# Allegro board WNS_FDM_2V1-1221P2.brd (continued)
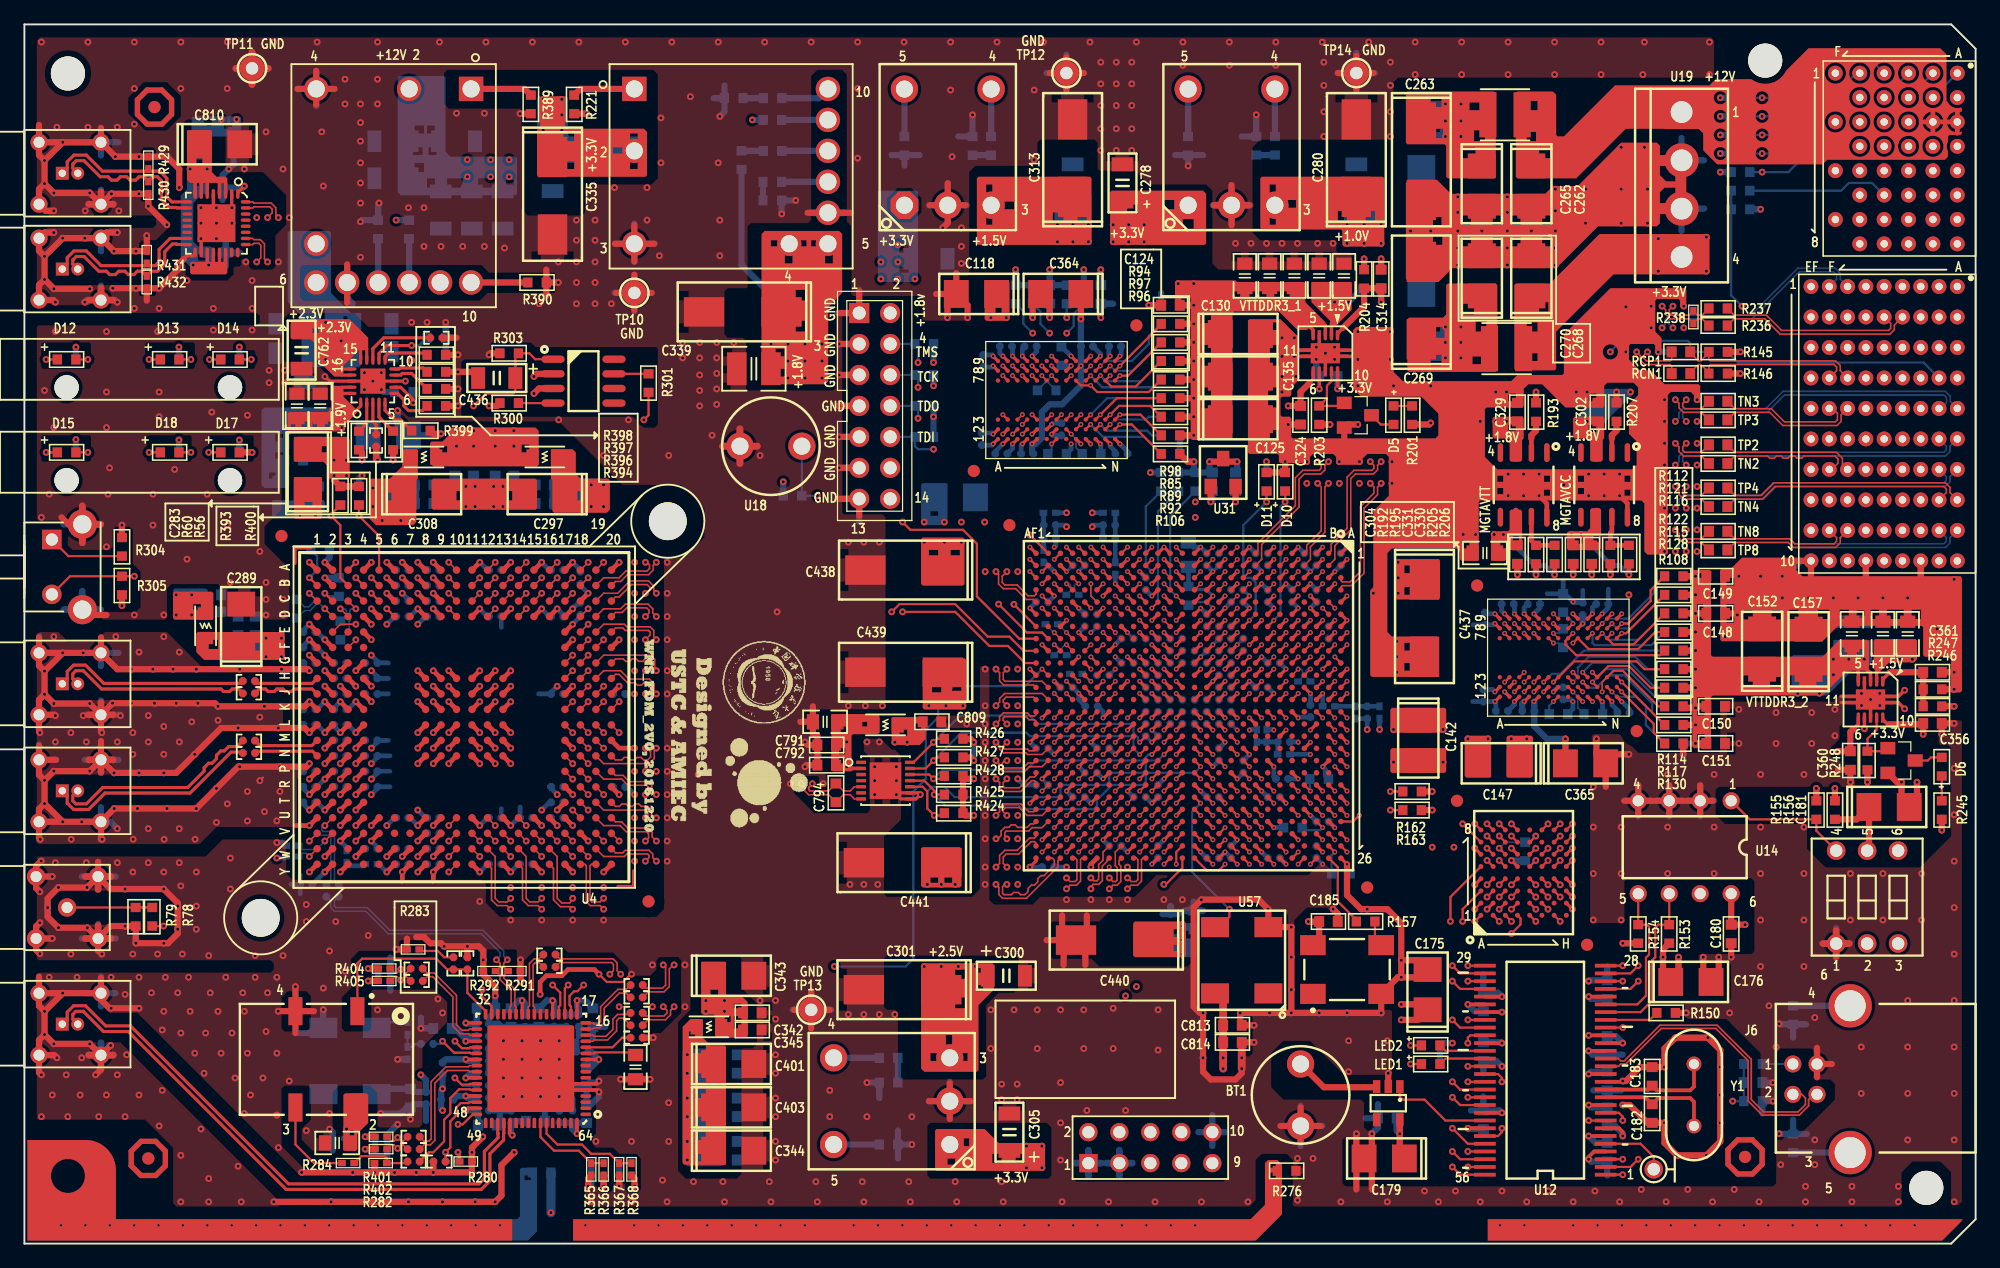
[diagram p0: board, top side]
## Routing (per net, layer and track width the routed paths; a pad name or vN(x,y) marks a point on that pad's centre or on a via; arc(x,y) is an arc through that point) (continued)
DI_P7: length 72.5
  TOP w0.124: U15.AA17 v1(87.45,40.12) ; U4.G17 v2(44.96,48.26)
  ART08 w0.102: v1(87.45,40.12) 87.16,39.83 86.91,39.83 86.8,39.72 83.76,39.72 83.05,40.42 83.05,41.42 83.11,41.48 83.11,41.5
  ART08 w0.109: v2(44.96,48.26) 45.24,48.54 45.24,48.76 45.53,49.05 46.77,49.05 47.18,48.64 47.18,48.01 47.37,47.81 47.69,47.81 47.9,48.03 47.9,48.54 48.26,48.9 48.9,48.9 49.27,48.52 49.27,48.14 49.47,47.94 49.84,47.94 50.04,48.13 50.04,48.6 50.33,48.9 51.05,48.9 51.39,48.56 51.39,48.28 51.6,48.06 52.07,48.06 54.3,50.29 54.3,51.44 54.68,51.82 60.45,51.82 60.65,52.01 60.65,52.28 60.43,52.5 55.45,52.5 55.06,52.89 55.06,53.72 55.75,54.41 56.4,54.41 56.81,54.01 56.81,53.87 57.02,53.65 57.33,53.65 57.55,53.87 57.55,54.01 57.95,54.41 58.52,54.41 58.92,54.01 58.92,53.87 59.14,53.65 59.44,53.65 59.66,53.87 59.66,54.01 60.06,54.41 60.71,54.41 68.26,46.86 74.04,46.86 76.42,44.48 76.42,43.78 76.68,43.53 81.82,43.53 82.35,42.99 82.35,42.49 83.11,41.73 83.11,41.5
DI_P8: length 72.4
  TOP w0.124: U4.G19 47.5,48.26 51.35,48.26 51.69,47.93 51.69,47.12 v2(51.82,46.99) ; U15.AF14 82.95,43.4 82.83,43.27 82.51,43.27 82.25,43.52 80.27,43.52 79.97,43.22 79.97,42.92 v2(79.67,42.62)
  ART10 w0.109: v2(79.67,42.62) 79.82,42.77 79.82,43.07 79.72,43.18 76.52,43.18 76.11,43.59 76.11,44.35 73.02,47.44 72.65,47.44 72.45,47.24 72.45,46.99 72.9,46.54 72.9,46.01 72.61,45.72 71.57,45.72 71.19,46.09 71.19,47.3 70.99,47.5 69.79,47.5 68.07,49.22 64.16,49.22 63.76,49.62 63.76,51.01 63.65,51.12 63.13,51.12 63.02,51.01 63.02,49.62 62.62,49.22 61.97,49.22 61.57,49.62 61.57,50.82 61.4,51 60.96,51 60.83,50.86 60.83,49.62 60.43,49.22 58.93,49.22 58.8,49.09 58.8,48.77 58.93,48.64 67.82,48.64 68.17,48.29 68.17,47.79 67.82,47.44 58.22,47.44 58.04,47.62 51.73,47.62 51.62,47.52 51.62,47.19 v2(51.82,46.99)
DI_P9: length 72.5
  TOP w0.124: U15.AE17 83.45,40.12 82.26,40.12 82.12,40.26 80.27,40.26 79.97,40.56 79.97,40.82 v2(79.67,41.12) ; U4.H17 v2(44.96,46.99)
  ART08 w0.109: v2(44.96,46.99) 45.24,46.71 45.24,46.49 45.53,46.2 46.71,46.2 46.99,46.48 49.22,46.48 49.85,45.85 52.9,45.85 53.53,45.21 54.36,45.21 54.8,45.65 54.8,46.17 53.47,47.5 53.47,47.88 54.17,48.58 54.41,48.58 54.68,48.32 54.68,47.28 54.97,46.99 55.59,46.99 55.88,47.28 55.88,48.45 56.07,48.64 62.04,48.64 62.4,49 62.4,49.55 62.04,49.91 55.94,49.91 55.75,50.1 55.75,50.36 55.94,50.55 62.36,50.55 67.24,45.66 68.82,45.66 69.04,45.44 69.04,45.23 69.44,44.83 70.01,44.83 70.41,45.23 70.41,45.45 70.61,45.66 70.99,45.66 71.19,45.46 71.19,44.45 71.57,44.07 72.14,44.07 72.52,44.45 72.52,45.47 72.71,45.66 73.02,45.66 73.22,45.46 73.22,43.62 74.1,42.74 75.56,42.74 76.63,41.67 79.68,41.67 79.87,41.48 79.87,41.32 v2(79.67,41.12)
DI_P10: length 73.1
  TOP w0.124: U4.H19 47.5,46.99 48.89,46.99 49.58,46.3 51.26,46.3 51.64,45.92 51.64,45.27 v2(51.82,45.09) ; U15.AA19 v1(87.45,38.12)
  ART10 w0.102: v1(87.45,38.12) 87.45,37.99 87.34,37.87 87.16,37.87 87.05,37.97 87.05,38.42 86.75,38.72 84.18,38.72 84.12,38.78 84.1,38.78
  ART10 w0.109: v2(51.82,45.09) 51.62,44.89 51.62,44.62 51.73,44.51 53.14,44.51 53.47,44.83 53.47,45.59 53.85,45.97 54.42,45.97 54.82,45.57 54.82,44.73 55.04,44.51 55.35,44.51 55.56,44.73 55.56,45.57 55.97,45.97 56.53,45.97 56.93,45.57 56.93,44.73 57.15,44.51 57.46,44.51 57.68,44.73 57.68,45.57 58.08,45.97 58.65,45.97 59.05,45.57 59.05,43.58 59.26,43.37 59.57,43.37 59.79,43.58 59.79,45.57 60.19,45.97 60.76,45.97 61.16,45.57 61.16,43.58 61.38,43.37 61.69,43.37 61.9,43.58 61.9,45.57 62.31,45.97 62.87,45.97 63.27,45.57 63.27,43.58 63.49,43.37 63.8,43.37 64.02,43.58 64.02,45.57 64.42,45.97 64.99,45.97 65.39,45.57 65.39,44.6 65.61,44.38 65.92,44.38 66.14,44.6 66.14,45.57 66.54,45.97 67.15,45.97 67.55,45.57 67.55,45.23 67.77,45.02 68.08,45.02 68.3,45.23 68.3,45.57 68.7,45.97 69.22,45.97 69.82,45.37 69.82,43.42 69.93,43.31 71.06,43.31 71.25,43.49 71.25,43.88 71.61,44.23 72.29,44.23 72.64,43.88 72.64,43.42 72.75,43.31 73.91,43.31 76.7,40.53 83.43,40.53 83.82,40.13 83.82,38.89 83.93,38.78 84.1,38.78
DI_P11: length 72.7
  TOP w0.124: v2(79.67,39.62) 79.89,39.4 79.89,39.01 80.2,38.71 82.02,38.71 82.43,39.12 83.45,39.12 U15.AE18 ; U4.J18 v2(46.23,45.72)
  ART08 w0.109: v2(79.67,39.62) 79.88,39.83 79.88,40.07 79.71,40.24 76.54,40.24 75.05,41.72 73.78,41.72 72.51,42.99 68.4,42.99 68.11,43.29 68.11,44.41 67.82,44.7 66.87,44.7 63.88,47.69 56.9,47.69 56.78,47.58 56.78,47.23 56.96,47.05 63.63,47.05 64.52,46.16 64.52,44.7 64.01,44.2 63.57,44.2 63.17,44.6 63.17,45.57 62.96,45.79 62.65,45.79 62.43,45.57 62.43,44.6 62.03,44.2 61.46,44.2 61.06,44.6 61.06,45.57 60.84,45.79 60.53,45.79 60.32,45.57 60.32,44.6 59.92,44.2 59.34,44.2 58.94,44.6 58.94,45.57 58.72,45.79 58.42,45.79 58.2,45.57 58.2,44.6 57.8,44.2 57.22,44.2 56.84,44.57 56.84,45.52 56.66,45.7 56.37,45.7 56.19,45.52 56.19,44.51 55.88,44.2 49.72,44.2 48.99,44.93 46.77,44.93 46.48,45.22 46.48,45.47 v2(46.23,45.72)
DID_N0: length 72.8
  TOP w0.124: U15.AF12 82.76,45.82 80.29,45.82 79.97,46.14 79.97,46.82 v2(79.67,47.12) ; U4.B10 v2(34.8,54.61)
  ART03 w0.109: v2(34.8,54.61) 34.48,54.93 34.48,55.18 34.67,55.37 35.81,55.37 37.08,56.64 47.56,56.64 47.98,56.23 47.98,55.27 48.77,54.48 53.48,54.48 53.7,54.27 53.7,52.22 54.1,51.82 54.67,51.82 55.07,52.22 55.07,54.27 55.29,54.48 55.6,54.48 55.81,54.27 55.81,52.22 56.21,51.82 56.78,51.82 57.18,52.22 57.18,54.27 57.4,54.48 57.78,54.48 58.04,54.23 58.04,52.32 58.48,51.88 60.26,51.88 60.45,51.69 60.45,50.58 60.74,50.29 62.32,50.29 62.73,50.69 62.73,51.03 62.94,51.25 63.25,51.25 63.47,51.03 63.47,50.69 63.87,50.29 64.44,50.29 64.84,50.69 64.84,51.03 65.06,51.25 65.37,51.25 65.58,51.03 65.58,50.69 65.98,50.29 66.55,50.29 66.95,50.69 66.95,51.03 67.17,51.25 67.48,51.25 67.7,51.03 67.7,50.69 68.1,50.29 68.66,50.29 69.07,50.69 69.07,51.03 69.28,51.25 69.59,51.25 69.81,51.03 69.81,50.69 70.21,50.29 74.68,50.29 77.27,47.69 79.9,47.69 80.01,47.58 80.01,47.26 79.87,47.12 v2(79.67,47.12)
DID_N1: length 72.7
  TOP w0.124: U4.D10 v2(34.8,52.07) ; U15.AB20 v1(86.45,37.12)
  ART10 w0.102: v1(86.45,37.12) 86.45,37.42 86.35,37.52 83.24,37.52 83.18,37.46 83.16,37.46
  ART10 w0.109: v2(34.8,52.07) 34.8,52.44 34.91,52.55 35.66,52.55 35.88,52.33 35.88,51.56 35.63,51.31 33.34,51.31 32.96,50.93 32.96,48.19 33.33,47.82 40.32,47.82 40.77,47.37 40.77,45.21 41.18,44.8 43.78,44.8 43.97,44.62 43.97,42.84 44.32,42.49 44.96,42.49 45.34,42.87 45.34,43.31 45.53,43.5 45.84,43.5 46.08,43.27 46.08,42.82 46.41,42.49 47.12,42.49 47.43,42.8 47.43,43.18 47.56,43.31 56.71,43.31 57.91,42.11 72.26,42.11 74.11,40.26 74.93,40.26 76.45,38.73 81.6,38.73 82.87,37.46 83.16,37.46
DID_N2: length 73.3
  TOP w0.124: 36.7,52.7 v2(37.34,53.34) ; U15.AE16 v1(83.45,41.12)
  ART10 w0.102: v1(83.45,41.12) 83.75,41.12 83.85,41.22 83.85,41.42 83.75,41.52 83.16,41.52 83.11,41.46 83.08,41.46
  ART10 w0.109: v2(37.34,53.34) 37.34,53.84 37.45,53.95 37.71,53.95 37.82,53.84 37.82,51.43 38.1,51.15 38.1,50.61 37.91,50.42 37.53,50.42 37.09,50.86 36.45,50.86 36.01,50.42 34.29,50.42 34,50.13 34,49.06 34.29,48.77 34.98,48.77 35.3,49.09 35.83,49.09 36.15,48.77 36.96,48.77 37.29,49.09 37.78,49.09 38.1,48.77 41.87,48.77 42.38,48.26 43.06,48.26 43.57,48.77 43.88,48.77 44.01,48.64 44.01,47.69 43.87,47.56 42.14,47.56 41.85,47.26 41.85,46.54 42.19,46.2 49.24,46.2 49.53,45.92 53.03,45.92 53.66,46.55 70.04,46.55 70.23,46.35 70.23,45.72 71.12,44.83 74.42,44.83 74.71,44.55 74.71,43.34 76.33,41.71 82.55,41.71 82.8,41.46 83.08,41.46
DID_N3: length 72.5
  TOP w0.124: U15.AD14 v1(84.45,43.12) ; U4.B12 v2(38.61,54.61)
  ART10 w0.109: v1(84.45,43.12) 84.69,43.12 84.8,43.23 84.8,43.39 84.63,43.56 83.89,43.56 81.98,45.47 77.79,45.47 74.11,49.15 70.93,49.15 69.34,50.74 69.34,52.45 68.77,53.03 64.01,53.03 62.86,54.17 55.12,54.17 54.48,53.53 54.48,51.69 52.96,50.16 48.51,50.16 48.29,49.94 48.29,48.71 48.43,48.57 49.41,48.57 49.72,48.26 49.72,47.56 49.4,47.24 47.1,47.24 46.8,47.54 46.8,48.57 46.64,48.74 45.82,48.74 45.44,49.12 45.44,49.75 45.18,50.01 43.39,50.01 43.1,50.3 43.1,50.95 42.92,51.12 42.67,51.12 42.48,50.93 42.48,50.36 42.13,50.01 41.5,50.01 41.15,50.36 41.15,50.95 40.98,51.12 40.58,51.12 40.41,50.96 40.41,50.46 40.12,50.16 39.38,50.16 39.09,50.46 39.09,55.19 38.98,55.3 38.72,55.3 38.61,55.19 v2(38.61,54.61)
DID_N4: length 72.5
  TOP w0.124: U15.AE20 v1(83.45,37.12) ; U4.D12 v2(38.61,52.07)
  ART08 w0.102: 82.45,37.16 82.47,37.16 82.53,37.21 82.84,37.21 83.14,37.52 83.75,37.52 83.85,37.42 83.85,37.22 83.75,37.12 v1(83.45,37.12)
  ART08 w0.109: 82.45,37.16 81.48,37.16 80.84,36.52 77.16,36.52 76.33,35.69 69.15,35.69 68.14,36.7 67.31,36.7 64.07,39.95 63.3,39.95 62.36,40.89 53.41,40.89 52.7,41.6 50.04,41.6 49.56,41.12 43.4,41.12 40.71,43.81 40.71,47.62 40.45,47.88 33.98,47.88 33.34,48.51 33.34,50.87 33.84,51.37 35.05,51.37 35.56,51.87 36.32,51.87 36.83,51.37 38.98,51.37 39.09,51.48 39.09,52.59 38.98,52.7 38.72,52.7 38.61,52.59 v2(38.61,52.07)
DID_N5: length 72.4
  TOP w0.124: 39.24,52.7 v2(39.88,53.34) ; U15.AC17 v1(85.45,40.12)
  ART10 w0.102: v1(85.45,40.12) 85.9,40.12 86,40.22 86,40.42 85.9,40.52 85.17,40.52 84.85,40.83 84.85,42.43 85.14,42.72 85.74,42.72 85.85,42.83 85.85,43.33 85.8,43.38 85.8,43.48
  ART10 w0.109: v2(39.88,53.34) 39.88,53.71 39.99,53.82 41.5,53.82 41.63,53.69 41.63,52.99 42.07,52.55 45.44,52.55 45.75,52.86 45.75,53.71 45.86,53.82 46.76,53.82 46.97,53.6 46.97,51.2 47.37,50.8 47.94,50.8 48.34,51.2 48.34,53.96 48.45,54.07 49.05,54.07 49.18,53.95 49.18,52.55 49.53,52.2 53.27,52.2 53.59,52.52 53.59,53.91 54.74,55.06 63.08,55.06 63.37,55.35 63.37,55.69 63.5,55.82 63.88,55.82 64.01,55.69 64.01,54.23 64.32,53.92 64.84,53.92 65.22,54.3 65.46,54.3 65.84,53.92 69.15,53.92 70.23,52.83 70.23,51.44 71.56,50.11 74.42,50.11 78.3,46.23 82.24,46.23 84.14,44.32 85.16,44.32 85.8,43.68 85.8,43.48
DID_N6: length 72.7
  TOP w0.124: U4.B14 v2(41.15,54.61) ; U15.W16 v1(89.45,41.12)
  ART10 w0.102: v1(89.45,41.12) 89.72,41.39 89.83,41.39 90.05,41.61 90.05,43.46 89.05,44.46 89.05,47.47 87.8,48.72 87.07,48.72 86.05,49.74 86.05,50.45 85.79,50.72 85.2,50.72 85.14,50.78 85.12,50.78
  ART10 w0.109: v2(41.15,54.61) 40.95,54.81 40.65,54.81 40.36,55.1 40.36,61.06 41.97,62.67 44.9,62.67 46.04,61.53 47.75,61.53 48.89,62.67 60.33,62.67 61.09,61.91 63.57,61.91 67,58.48 70.55,58.48 75.13,53.91 76.14,53.91 78.94,51.11 84.62,51.11 84.96,50.78 85.12,50.78
DID_N7: length 73.6
  TOP w0.124: v2(79.67,38.12) 79.97,37.82 79.97,37.39 80.27,37.08 81.71,37.08 82.59,37.97 82.83,37.97 82.95,37.84 U15.AF20 ; U4.D14 v2(41.15,52.07)
  ART08 w0.109: v2(79.67,38.12) 79.85,38.12 80.01,37.96 80.01,37.67 79.9,37.57 77.54,37.57 77.34,37.77 77.01,37.77 76.81,37.57 76.48,37.57 76.25,37.8 76.25,38.08 76.02,38.32 75.73,38.32 75.04,39 73.33,39 72.07,40.26 65.59,40.26 64.96,40.9 64.96,41.6 64.46,42.1 54.1,42.1 53.4,42.8 43.43,42.8 42.04,44.2 42.04,48.26 42.93,49.15 42.93,50.29 42.55,50.67 41.78,50.67 41.4,50.29 41.4,49.84 40.71,49.15 34.86,49.15 34.69,49.32 34.69,49.8 34.87,49.98 40.26,49.98 40.67,50.39 40.67,52.64 40.78,52.75 41.04,52.75 41.15,52.64 v2(41.15,52.07)
DID_N8: length 72.4
  TOP w0.124: U15.AD19 v1(84.45,38.12) ; U4.C15 v2(42.42,53.34)
  ART08 w0.102: v1(84.45,38.12) 84.75,38.12 84.85,38.22 84.85,38.42 84.75,38.52 84.18,38.52 84.12,38.46 84.1,38.46
  ART08 w0.109: v2(42.42,53.34) 42.42,53.84 42.53,53.95 42.79,53.95 42.9,53.84 42.9,51.47 43.19,51.18 44.01,51.18 44.17,51.02 44.17,50.32 43.63,49.79 43.63,48.95 44.17,48.42 44.17,47.99 44.06,47.88 42.96,47.88 42.67,47.59 42.67,46.77 42.96,46.48 43.94,46.48 44.17,46.26 44.17,45.25 44.06,45.14 43.14,45.14 42.85,44.85 42.85,44.34 43.81,43.38 54.14,43.38 54.36,43.16 54.36,43.07 54.76,42.67 55.37,42.67 55.73,43.03 55.73,43.22 55.88,43.38 56.32,43.38 56.47,43.22 56.47,43.07 56.87,42.67 57.44,42.67 57.84,43.07 57.84,43.16 58.06,43.38 58.37,43.38 58.58,43.16 58.58,43.07 58.98,42.67 59.55,42.67 59.95,43.07 59.95,43.16 60.17,43.38 60.48,43.38 60.7,43.16 60.7,43.07 61.1,42.67 61.67,42.67 62.07,43.07 62.07,43.16 62.28,43.38 62.59,43.38 62.81,43.16 62.81,43.07 63.21,42.67 64.52,42.67 65.28,43.43 65.28,44.19 65.53,44.45 65.79,44.45 66.67,43.56 66.67,43.29 66.5,43.11 65.77,43.11 65.47,42.82 65.47,41.21 65.84,40.84 66.49,40.84 66.86,41.21 66.86,41.84 67.05,42.03 72.27,42.03 72.97,41.33 72.97,40.52 73.26,40.23 75.15,40.23 76.65,38.73 83.54,38.73 83.82,38.46 84.1,38.46
DID_N9: length 72.6
  TOP w0.124: U15.Y16 v1(88.45,41.12) ; U4.B16 v2(43.69,54.61)
  ART10 w0.102: 83.01,50.1 83.11,50.1 83.16,50.04 83.6,50.04 84.05,49.58 84.05,48.79 85.12,47.72 87.79,47.72 88.05,47.45 88.05,44.41 89.05,43.41 89.05,41.59 88.83,41.37 88.7,41.37 v1(88.45,41.12)
  ART10 w0.109: 83.01,50.1 78.68,50.1 75.69,53.09 74.61,53.09 70.8,56.9 67.18,56.9 63.12,60.96 60.64,60.96 59.82,61.78 49.4,61.78 48.84,61.22 48.84,60.07 48.6,59.84 45.25,59.84 45.02,60.07 45.02,61.22 44.58,61.65 42.16,61.65 41.53,61.02 41.53,57.02 41.91,56.64 42.55,56.64 42.9,56.29 42.9,55.14 43.19,54.84 43.45,54.84 v2(43.69,54.61)
DID_N10: length 73.8
  TOP w0.124: U15.V19 v1(90.45,38.12) ; U4.C16 v2(43.69,53.34)
  ART08 w0.102: 89.8,43.46 89.8,43.38 89.85,43.33 89.85,38.83 90.07,38.61 90.35,38.61 90.45,38.51 v1(90.45,38.12)
  ART08 w0.109: 89.8,43.46 89.8,43.93 89.34,44.39 84.13,44.39 82.3,46.23 78.23,46.23 74.48,49.98 68.64,49.98 56.45,62.17 52.33,62.17 50.42,60.26 50.42,58.23 51.56,57.08 52.77,57.08 53.59,56.26 53.59,55.5 52.01,53.92 49.46,53.92 48.64,54.74 47.69,54.74 46.77,53.82 44.17,53.82 v2(43.69,53.34)
DID_N11: length 72.7
  TOP w0.124: U4.A19 v2(47.5,55.88) ; U15.AA15 v1(87.45,42.12)
  ART10 w0.102: v1(87.45,42.12) 87.45,42.37 87.55,42.47 87.83,42.47 88.05,42.69 88.05,43.52 87.05,44.52 87.05,46.42 86.54,46.94 85.96,46.94 85.9,46.99 85.88,46.99
  ART10 w0.109: v2(47.5,55.88) 47.16,55.88 47.05,55.77 47.05,55.41 47.16,55.3 49.08,55.3 49.25,55.47 49.25,56.48 49.02,56.71 44.7,56.71 43.94,57.47 43.94,58.42 44.38,58.86 45.06,58.86 45.46,58.46 45.46,58.19 45.68,57.97 45.99,57.97 46.21,58.19 46.21,58.46 46.61,58.86 47.18,58.86 47.58,58.46 47.58,58.19 47.79,57.97 48.1,57.97 48.32,58.19 48.32,58.46 48.72,58.86 49.91,58.86 50.35,58.42 50.35,57.41 50.73,57.02 53.59,57.02 54.93,58.36 54.93,60.07 55.5,60.64 59.57,60.64 60.2,60 62.81,60 66.8,56.01 70.36,56.01 74.17,52.2 75.31,52.2 78.36,49.15 82.61,49.15 84.77,46.99 85.88,46.99
DID_P0: length 72.8
  TOP w0.124: U4.A10 v2(34.8,55.88) ; v2(80.56,47.12) 80.27,46.82 80.27,46.27 80.42,46.12 83.45,46.12 U15.AE12
  ART03 w0.109: v2(34.8,55.88) 34.99,55.68 35.68,55.68 36.95,56.95 47.69,56.95 48.29,56.36 48.29,55.4 48.9,54.8 53.61,54.8 54.01,54.39 54.01,52.35 54.23,52.13 54.54,52.13 54.76,52.35 54.76,54.39 55.16,54.8 55.73,54.8 56.13,54.39 56.13,52.35 56.34,52.13 56.65,52.13 56.87,52.35 56.87,54.39 57.27,54.8 57.91,54.8 58.35,54.36 58.35,52.45 58.61,52.2 60.39,52.2 60.76,51.82 60.76,50.71 60.87,50.6 62.2,50.6 62.41,50.82 62.41,51.16 62.81,51.56 63.38,51.56 63.78,51.16 63.78,50.82 64,50.6 64.31,50.6 64.53,50.82 64.53,51.16 64.93,51.56 65.49,51.56 65.9,51.16 65.9,50.82 66.11,50.6 66.42,50.6 66.64,50.82 66.64,51.16 67.04,51.56 67.61,51.56 68.01,51.16 68.01,50.82 68.23,50.6 68.54,50.6 68.75,50.82 68.75,51.16 69.15,51.56 69.72,51.56 70.12,51.16 70.12,50.82 70.34,50.6 74.81,50.6 77.4,48.01 80.03,48.01 80.32,47.71 80.32,47.36 v2(80.56,47.12)
DID_P1: length 72.7
  TOP w0.124: U4.C10 v2(34.8,53.34) ; U15.AB19 v1(86.45,38.12)
  ART10 w0.102: v1(86.45,38.12) 86.45,37.82 86.35,37.72 83.24,37.72 83.18,37.78 83.16,37.78
  ART10 w0.109: v2(34.8,53.34) 34.8,52.97 34.91,52.86 35.78,52.86 36.19,52.46 36.19,51.43 35.76,51 33.47,51 33.27,50.8 33.27,48.32 33.46,48.13 40.45,48.13 41.08,47.5 41.08,45.34 41.31,45.11 43.91,45.11 44.28,44.74 44.28,42.97 44.45,42.8 44.83,42.8 45.03,42.99 45.03,43.44 45.41,43.81 45.97,43.81 46.39,43.4 46.39,42.95 46.54,42.8 46.99,42.8 47.12,42.93 47.12,43.31 47.43,43.62 56.84,43.62 58.04,42.42 72.39,42.42 74.24,40.57 75.06,40.57 76.58,39.05 81.73,39.05 83,37.78 83.16,37.78
DID_P2: length 73.4
  TOP w0.124: U15.AD16 v1(84.45,41.12) ; 36.7,53.98 v2(37.34,54.61)
  ART10 w0.102: v1(84.45,41.12) 84.16,41.12 84.05,41.22 84.05,41.5 83.83,41.72 83.16,41.72 83.11,41.78 83.08,41.78
  ART10 w0.109: v2(37.34,54.61) 37.34,54.38 37.45,54.27 37.84,54.27 38.13,53.97 38.13,51.56 38.41,51.28 38.41,50.48 38.04,50.11 37.4,50.11 36.96,50.55 36.58,50.55 36.14,50.11 34.42,50.11 34.31,50 34.31,49.19 34.42,49.08 34.85,49.08 35.17,49.4 35.95,49.4 36.28,49.08 36.83,49.08 37.16,49.4 37.91,49.4 38.23,49.08 42,49.08 42.51,48.57 42.93,48.57 43.44,49.08 44.01,49.08 44.32,48.77 44.32,47.56 44,47.24 42.27,47.24 42.16,47.13 42.16,46.67 42.32,46.51 49.37,46.51 49.66,46.23 52.9,46.23 53.53,46.86 70.16,46.86 70.54,46.48 70.54,45.85 71.25,45.14 74.55,45.14 75.02,44.67 75.02,43.47 76.46,42.03 82.68,42.03 82.93,41.78 83.08,41.78
DID_P3: length 72.5
  TOP w0.124: U4.A12 v2(38.61,55.88) ; U15.AC14 v1(85.45,43.12)
  ART10 w0.109: v1(85.45,43.12) 85.22,43.12 85.11,43.23 85.11,43.52 84.76,43.87 84.02,43.87 82.11,45.78 77.92,45.78 74.24,49.46 71.06,49.46 69.65,50.87 69.65,52.58 68.89,53.34 64.13,53.34 62.99,54.48 54.99,54.48 54.17,53.66 54.17,51.82 52.83,50.48 48.38,50.48 47.98,50.07 47.98,48.58 48.3,48.26 49.28,48.26 49.4,48.13 49.4,47.69 49.27,47.56 47.23,47.56 47.12,47.67 47.12,48.7 46.77,49.05 45.94,49.05 45.75,49.25 45.75,49.88 45.31,50.32 43.52,50.32 43.41,50.43 43.41,51.08 43.05,51.44 42.55,51.44 42.17,51.06 42.17,50.49 42.01,50.32 41.63,50.32 41.46,50.49 41.46,51.08 41.11,51.44 40.45,51.44 40.1,51.08 40.1,50.59 39.99,50.48 39.51,50.48 39.4,50.59 39.4,55.32 39.11,55.61 38.88,55.61 v2(38.61,55.88)
DID_P4: length 72.5
  TOP w0.124: U4.C12 v2(38.61,53.34) ; U15.AD20 v1(84.45,37.12)
  ART08 w0.102: v1(84.45,37.12) 84.16,37.12 84.05,37.22 84.05,37.5 83.83,37.72 83.06,37.72 82.75,37.41 82.53,37.41 82.47,37.47 82.45,37.47
  ART08 w0.109: v2(38.61,53.34) 38.61,53.12 38.72,53.01 39.11,53.01 39.4,52.72 39.4,51.35 39.11,51.05 36.7,51.05 36.19,51.56 35.69,51.56 35.18,51.05 33.97,51.05 33.66,50.74 33.66,48.64 34.1,48.19 40.58,48.19 41.02,47.75 41.02,43.94 43.53,41.43 49.43,41.43 49.91,41.91 52.83,41.91 53.54,41.21 62.49,41.21 63.43,40.26 64.2,40.26 67.44,37.02 68.27,37.02 69.28,36 76.2,36 77.03,36.83 80.71,36.83 81.35,37.47 82.45,37.47
DID_P5: length 72.5
  TOP w0.124: U15.AB17 v1(86.45,40.12) ; 39.24,53.98 v2(39.88,54.61)
  ART10 w0.102: v1(86.45,40.12) 86.21,40.36 86.21,40.5 85.99,40.72 85.25,40.72 85.05,40.92 85.05,42.35 85.22,42.52 85.83,42.52 86.05,42.75 86.05,43.33 86.11,43.38 86.11,43.41
  ART10 w0.109: v2(39.88,54.61) 39.88,54.36 40.1,54.13 41.63,54.13 41.94,53.82 41.94,53.12 42.2,52.86 45.31,52.86 45.44,52.99 45.44,53.84 45.73,54.13 46.89,54.13 47.29,53.73 47.29,51.33 47.5,51.11 47.81,51.11 48.03,51.33 48.03,54.09 48.32,54.39 49.18,54.39 49.49,54.08 49.49,52.68 49.66,52.51 53.14,52.51 53.28,52.65 53.28,54.04 54.61,55.37 62.95,55.37 63.06,55.48 63.06,55.82 63.37,56.13 64.01,56.13 64.32,55.82 64.32,54.36 64.45,54.23 64.71,54.23 65.09,54.61 65.59,54.61 65.97,54.23 69.28,54.23 70.54,52.96 70.54,51.56 71.69,50.42 74.55,50.42 78.43,46.54 82.36,46.54 84.27,44.64 85.29,44.64 86.11,43.81 86.11,43.41
DID_P6: length 72.6
  TOP w0.124: U4.A14 v2(41.15,55.88) ; U15.W15 v1(89.45,42.12)
  ART10 w0.102: v1(89.45,42.12) 89.45,41.7 89.55,41.59 89.75,41.59 89.85,41.7 89.85,43.37 88.85,44.37 88.85,47.39 87.72,48.52 86.99,48.52 85.85,49.66 85.85,50.37 85.7,50.52 85.2,50.52 85.14,50.46 85.12,50.46
  ART10 w0.109: v2(41.15,55.88) 41.15,55.24 41.02,55.12 40.78,55.12 40.67,55.23 40.67,56.27 40.87,56.48 40.87,56.81 40.67,57.01 40.67,57.34 40.87,57.54 40.87,57.87 40.67,58.07 40.67,58.4 40.87,58.6 40.87,58.93 40.67,59.13 40.67,59.46 40.87,59.66 40.87,59.99 40.67,60.19 40.67,60.93 42.1,62.36 44.77,62.36 45.91,61.21 47.88,61.21 49.02,62.36 60.2,62.36 60.96,61.59 63.44,61.59 66.87,58.17 70.42,58.17 75,53.59 76.01,53.59 78.81,50.8 84.5,50.8 84.83,50.46 85.12,50.46
DID_P7: length 73.7
  TOP w0.124: U4.C14 v2(41.15,53.34) ; v2(80.56,38.12) 80.27,37.82 80.27,37.51 80.39,37.39 81.58,37.39 82.47,38.27 82.83,38.27 82.95,38.4 U15.AF19
  ART08 w0.109: v2(80.56,38.12) 80.32,37.88 80.32,37.55 80.03,37.25 76.35,37.25 74.91,38.69 73.2,38.69 71.94,39.95 65.46,39.95 64.64,40.77 64.64,41.47 64.33,41.78 53.98,41.78 53.27,42.49 43.3,42.49 41.72,44.07 41.72,48.39 42.61,49.28 42.61,50.16 42.42,50.36 41.91,50.36 41.71,50.16 41.71,49.72 40.84,48.84 34.73,48.84 34.38,49.19 34.38,49.93 34.74,50.29 40.13,50.29 40.36,50.52 40.36,52.77 40.65,53.06 40.87,53.06 v2(41.15,53.34)
DID_P8: length 72.5
  TOP w0.124: U4.B15 v2(42.42,54.61) ; U15.AC19 v1(85.45,38.12)
  ART08 w0.102: 84.1,38.78 84.12,38.78 84.18,38.72 84.83,38.72 85.05,38.5 85.05,38.22 85.16,38.12 v1(85.45,38.12)
  ART08 w0.109: v2(42.42,54.61) 42.42,54.4 42.55,54.27 42.92,54.27 43.21,53.97 43.21,51.6 43.32,51.49 44.14,51.49 44.48,51.15 44.48,50.19 43.94,49.66 43.94,49.08 44.48,48.55 44.48,47.86 44.19,47.57 43.09,47.57 42.98,47.46 42.98,46.9 43.09,46.79 44.07,46.79 44.48,46.39 44.48,45.12 44.19,44.83 43.27,44.83 43.16,44.72 43.16,44.47 43.94,43.69 54.27,43.69 54.67,43.29 54.67,43.2 54.89,42.98 55.24,42.98 55.41,43.16 55.41,43.35 55.75,43.69 56.45,43.69 56.78,43.35 56.78,43.2 57,42.98 57.31,42.98 57.53,43.2 57.53,43.29 57.93,43.69 58.5,43.69 58.9,43.29 58.9,43.2 59.11,42.98 59.42,42.98 59.64,43.2 59.64,43.29 60.04,43.69 60.61,43.69 61.01,43.29 61.01,43.2 61.23,42.98 61.54,42.98 61.75,43.2 61.75,43.29 62.15,43.69 62.72,43.69 63.12,43.29 63.12,43.2 63.34,42.98 64.39,42.98 64.97,43.56 64.97,44.32 65.41,44.76 65.92,44.76 66.99,43.69 66.99,43.16 66.63,42.8 65.9,42.8 65.79,42.69 65.79,41.34 65.97,41.15 66.36,41.15 66.55,41.34 66.55,41.97 66.92,42.34 72.4,42.34 73.28,41.46 73.28,40.65 73.39,40.54 75.28,40.54 76.78,39.05 83.67,39.05 83.94,38.78 84.1,38.78
DID_P9: length 72.5
  TOP w0.124: U4.A16 v2(43.69,55.88) ; U15.Y15 v1(88.45,42.12)
  ART10 w0.102: v1(88.45,42.12) 88.45,41.67 88.55,41.57 88.75,41.57 88.85,41.67 88.85,43.32 87.85,44.32 87.85,47.37 87.7,47.52 85.04,47.52 83.85,48.7 83.85,49.5 83.51,49.84 83.16,49.84 83.11,49.78 83.01,49.78
  ART10 w0.109: v2(43.69,55.88) 43.69,55.26 43.58,55.16 43.32,55.16 43.21,55.26 43.21,56.42 42.67,56.95 42.04,56.95 41.84,57.15 41.84,57.48 42.04,57.68 42.04,58.01 41.84,58.21 41.84,58.54 42.04,58.74 42.04,59.07 41.84,59.28 41.84,59.6 42.04,59.81 42.04,60.13 41.84,60.34 41.84,60.89 42.29,61.34 42.62,61.34 42.82,61.14 43.15,61.14 43.35,61.34 44.45,61.34 44.7,61.09 44.7,59.94 45.12,59.52 48.73,59.52 49.15,59.94 49.15,61.09 49.53,61.47 59.69,61.47 60.51,60.65 62.99,60.65 67.05,56.58 70.67,56.58 74.48,52.77 75.56,52.77 78.55,49.78 83.01,49.78
DID_P10: length 73.7
  TOP w0.124: U4.B17 v2(44.96,54.61) ; U15.V18 v1(90.45,39.12)
  ART08 w0.102: v1(90.45,39.12) 90.45,38.91 90.35,38.81 90.16,38.81 90.05,38.91 90.05,43.33 90.11,43.38 90.11,43.41
  ART08 w0.109: v2(44.96,54.61) 44.56,54.61 44.45,54.5 44.45,54.24 44.56,54.13 46.64,54.13 47.56,55.05 48.77,55.05 49.59,54.23 51.88,54.23 53.28,55.63 53.28,56.13 52.64,56.77 51.44,56.77 50.11,58.1 50.11,60.39 52.2,62.48 56.58,62.48 68.77,50.29 74.61,50.29 78.36,46.54 82.43,46.54 84.26,44.7 89.47,44.7 90.11,44.06 90.11,43.41
DID_P11: length 72.7
  TOP w0.124: U15.AA14 v1(87.45,43.12) ; U4.A18 v2(46.23,55.88)
  ART10 w0.102: v1(87.45,43.12) 87.45,42.77 87.55,42.67 87.75,42.67 87.85,42.77 87.85,43.43 86.85,44.43 86.85,46.34 86.45,46.74 85.96,46.74 85.9,46.68 85.88,46.68
  ART10 w0.109: v2(46.23,55.88) 46.63,55.88 46.74,55.77 46.74,55.28 47.03,54.99 49.21,54.99 49.56,55.34 49.56,56.61 49.15,57.02 44.83,57.02 44.25,57.6 44.25,58.29 44.51,58.55 44.93,58.55 45.15,58.33 45.15,58.06 45.55,57.66 46.12,57.66 46.52,58.06 46.52,58.33 46.74,58.55 47.05,58.55 47.26,58.33 47.26,58.06 47.66,57.66 48.23,57.66 48.63,58.06 48.63,58.33 48.85,58.55 49.78,58.55 50.04,58.29 50.04,57.28 50.6,56.71 53.72,56.71 55.24,58.23 55.24,59.94 55.63,60.33 59.44,60.33 60.07,59.69 62.68,59.69 66.67,55.69 70.23,55.69 74.04,51.88 75.18,51.88 78.23,48.84 82.48,48.84 84.64,46.68 85.88,46.68
DQ_N0: length 73.7
  TOP w0.124: U15.AF25 82.95,32.84 82.83,32.97 82.55,32.97 81.54,31.96 80.52,31.96 80.27,31.71 80.27,31.18 v2(80.56,30.88) ; U4.V17 v2(44.96,33.02)
  ART08 w0.109: v2(44.96,33.02) 45.44,32.54 46.87,32.54 47.09,32.32 53.09,32.32 54.92,30.48 66.35,30.48 66.67,30.16 66.67,29.53 66.35,29.21 54.67,29.21 54.54,29.08 54.54,28.7 54.67,28.57 71.08,28.57 71.3,28.79 71.3,29.95 71.7,30.35 72.27,30.35 72.67,29.95 72.67,28.79 72.89,28.57 77.16,28.57 77.54,28.96 77.54,31.24 78.08,31.79 79.98,31.79 80.27,31.5 80.27,31.17 v2(80.56,30.88)
DQ_N1: length 73.7
  TOP w0.124: U15.AE26 84.28,31.62 84.45,31.45 84.45,31.03 83.6,30.18 83.35,30.18 83.09,29.92 83.09,29.67 82.82,29.4 82.57,29.4 82.31,29.14 82.31,28.89 82.04,28.62 81.67,28.62 81.49,28.8 81.12,28.8 80.94,28.62 80.33,28.62 80.21,28.75 80.21,29.28 80.39,29.46 v2(80.56,29.46) ; U4.W20 48.47,32.05 49.07,32.05 49.28,32.26 51.22,32.26 51.52,31.96 51.52,31.66 v2(51.82,31.37)
  ART03 w0.109: v2(80.56,29.46) 80.52,29.46 80.14,29.08 80.14,28.83 79.82,28.52 79.5,28.52 79.29,28.31 78.97,28.31 78.76,28.52 78.44,28.52 78.23,28.31 77.9,28.31 77.7,28.52 77.37,28.52 77.17,28.31 76.84,28.31 76.64,28.52 76.31,28.52 76.11,28.31 75.78,28.31 75.58,28.52 72.56,28.52 72.26,28.81 72.26,31.75 72.01,32 70.73,32 70.52,31.79 70.52,30.63 70.11,30.23 69.55,30.23 69.15,30.63 69.15,31.79 68.93,32 68.62,32 68.4,31.79 68.4,30.63 68,30.23 67.43,30.23 67.03,30.63 67.03,31.79 66.82,32 66.48,32 66.27,31.79 66.27,28.85 65.87,28.45 65.3,28.45 64.9,28.85 64.9,31.79 64.68,32 64.37,32 64.15,31.79 64.15,28.85 63.75,28.45 63.19,28.45 62.78,28.85 62.78,31.79 62.57,32 62.26,32 62.04,31.79 62.04,28.85 61.64,28.45 61.07,28.45 60.67,28.85 60.67,31.79 60.45,32 60.14,32 59.93,31.79 59.93,31.64 59.53,31.24 58.96,31.24 58.56,31.64 58.56,31.79 58.34,32 58.03,32 57.81,31.79 57.81,31.64 57.41,31.24 56.85,31.24 56.44,31.64 56.44,31.79 56.23,32 55.92,32 55.7,31.79 55.7,31.64 55.3,31.24 54.73,31.24 54.33,31.64 54.33,31.79 54.11,32 51.56,32 51.44,31.88 51.44,31.62 51.69,31.37 v2(51.82,31.37)